# KiCad board panel.opm-inline.kicad_pcb (continued)
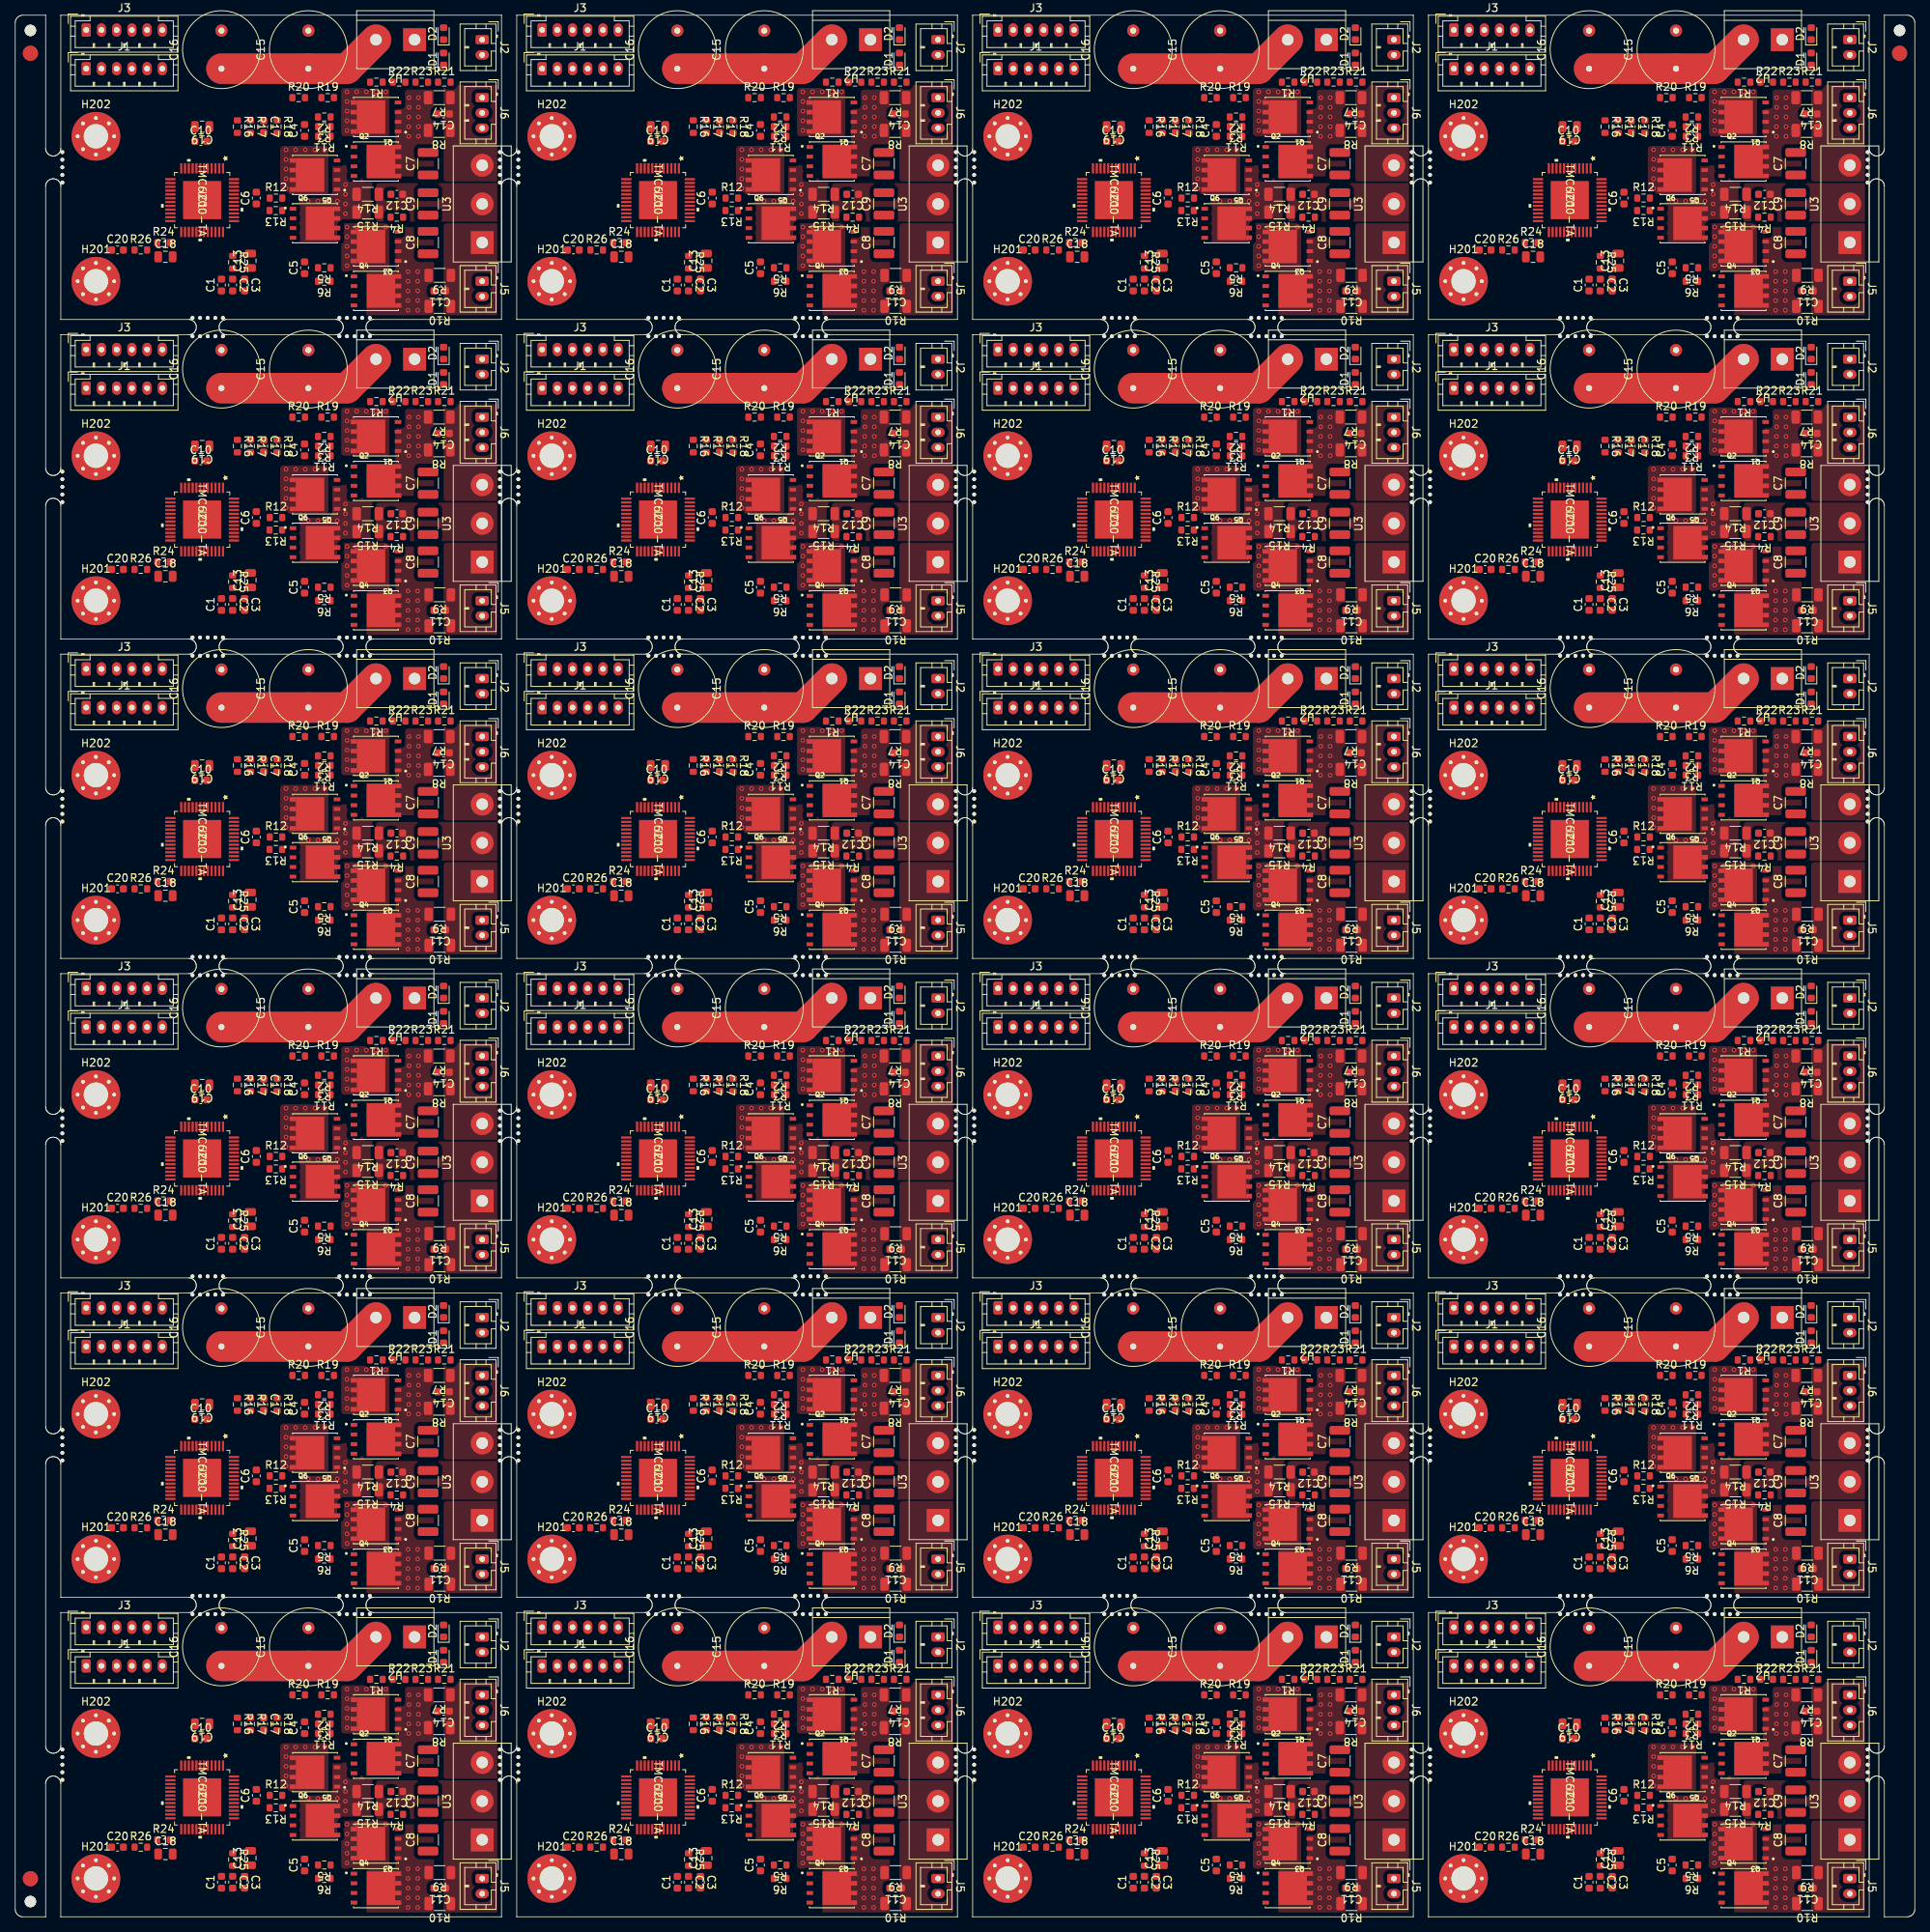
[diagram p0: board, top side]
## Nets (continued)
Board_16-/SPE: IC1#17.25 R23#17.2 R24#17.1
Board_16-/SPI1_MISO: IC1#17.16 J1#17.4
Board_16-/SPI1_MOSI: IC1#17.15 J1#17.3
Board_16-/SPI1_SCK: IC1#17.14 J1#17.2
Board_16-/U: C14#17.1 R2#17.1 R7#17.1 R8#17.1 U3#17.3
Board_16-/UH: IC1#17.17 J3#17.6
Board_16-/UL: IC1#17.18 J3#17.5
Board_16-/V: C12#17.1 R12#17.1 R14#17.1 R15#17.1 U3#17.2
Board_16-/VH: IC1#17.20 J3#17.4
Board_16-/VL: IC1#17.21 J3#17.3
Board_16-/VSA: C18#17.1 IC1#17.29
Board_16-/W: C11#17.1 R5#17.1 R9#17.1 R10#17.1 U3#17.1
Board_16-/WH: IC1#17.22 J3#17.2
Board_16-/WL: IC1#17.23 J3#17.1
Board_16-/~{CS_DRIVER}: IC1#17.13 J1#17.1
Board_16-GND: C3#17.2 C7#17.2 C8#17.2 C9#17.2 C10#17.2 C11#17.2 C12#17.2 C13#17.2 C14#17.2 C15#17.2 C16#17.2 C17#17.2 C18#17.2 C19#17.2 C20#17.2 D1#17.1 D2#17.1 H201#17.1 H202#17.1 IC1#17.8 IC1#17.EPAD J2#17.2 J5#17.2 Q2#17.1 Q2#17.2 Q2#17.3 Q4#17.1 Q4#17.2 Q4#17.3 Q6#17.1 Q6#17.2 Q6#17.3 R18#17.2 R22#17.2 R24#17.2 R26#17.2 U2#17.1
Board_16-Net-(C1-Pad1): C1#17.1 IC1#17.30
Board_16-Net-(C1-Pad2): C1#17.2 IC1#17.32
Board_16-Net-(C2-Pad2): C2#17.2 IC1#17.34
Board_16-Net-(C4-Pad1): C4#17.1 IC1#17.47 Q1#17.1 Q1#17.2 Q1#17.3 Q2#17.5 Q2#17.6 Q2#17.7 Q2#17.8 R7#17.2 R8#17.2
Board_16-Net-(C4-Pad2): C4#17.2 IC1#17.1
Board_16-Net-(C5-Pad1): C5#17.1 IC1#17.36
Board_16-Net-(C5-Pad2): C5#17.2 IC1#17.38 Q3#17.1 Q3#17.2 Q3#17.3 Q4#17.5 Q4#17.6 Q4#17.7 Q4#17.8 R9#17.2 R10#17.2
Board_16-Net-(C6-Pad1): C6#17.1 IC1#17.42 Q5#17.1 Q5#17.2 Q5#17.3 Q6#17.5 Q6#17.6 Q6#17.7 Q6#17.8 R14#17.2 R15#17.2
Board_16-Net-(C6-Pad2): C6#17.2 IC1#17.44
Board_16-Net-(C17-Pad1): C17#17.1 J5#17.1 R17#17.2 R18#17.1
Board_16-Net-(D1-Pad2): D1#17.2 R19#17.1
Board_16-Net-(D2-Pad2): D2#17.2 R20#17.1
Board_16-Net-(IC1-Pad3): IC1#17.3 R6#17.2
Board_16-Net-(IC1-Pad4): IC1#17.4 R13#17.2
Board_16-Net-(IC1-Pad5): IC1#17.5 R3#17.2
Board_16-Net-(IC1-Pad24): IC1#17.24 R26#17.1
Board_16-Net-(IC1-Pad26): IC1#17.26
Board_16-Net-(IC1-Pad37): IC1#17.37 R4#17.2
Board_16-Net-(IC1-Pad39): IC1#17.39 R5#17.2
Board_16-Net-(IC1-Pad41): IC1#17.41 R12#17.2
Board_16-Net-(IC1-Pad43): IC1#17.43 R11#17.2
Board_16-Net-(IC1-Pad46): IC1#17.46 R2#17.2
Board_16-Net-(IC1-Pad48): IC1#17.48 R1#17.2
Board_16-Net-(Q1-Pad4): Q1#17.4 R1#17.1
Board_16-Net-(Q2-Pad4): Q2#17.4 R3#17.1
Board_16-Net-(Q3-Pad4): Q3#17.4 R4#17.1
Board_16-Net-(Q4-Pad4): Q4#17.4 R6#17.1
Board_16-Net-(Q5-Pad4): Q5#17.4 R11#17.1
Board_16-Net-(Q6-Pad4): Q6#17.4 R13#17.1
Board_16-Net-(R16-Pad1): R16#17.1
Board_16-Net-(R16-Pad2): R16#17.2 R17#17.1
Board_17-/+VM: C2#18.1 C3#18.1 C7#18.1 C8#18.1 C9#18.1 C15#18.1 C16#18.1 IC1#18.33 Q1#18.5 Q1#18.6 Q1#18.7 Q1#18.8 Q3#18.5 Q3#18.6 Q3#18.7 Q3#18.8 Q5#18.5 Q5#18.6 Q5#18.7 Q5#18.8 R25#18.2 U2#18.2
Board_17-/ADC_I_u: IC1#18.9 J6#18.1
Board_17-/ADC_I_v: J6#18.2
Board_17-/ADC_I_w: IC1#18.11 J6#18.3
Board_17-/Connectors/FAULT: J1#18.6
Board_17-/Connectors/Fault: R20#18.2
Board_17-/Connectors/VOFS: R21#18.2 R22#18.1
Board_17-/DRV_EN: IC1#18.27 J1#18.5
Board_17-/Motor Driver/ADC_I_v: IC1#18.10
Board_17-/Motor Driver/VOFS: C10#18.1 IC1#18.12
Board_17-/SPE: IC1#18.25 R23#18.2 R24#18.1
Board_17-/SPI1_MISO: IC1#18.16 J1#18.4
Board_17-/SPI1_MOSI: IC1#18.15 J1#18.3
Board_17-/SPI1_SCK: IC1#18.14 J1#18.2
Board_17-/U: C14#18.1 R2#18.1 R7#18.1 R8#18.1 U3#18.3
Board_17-/UH: IC1#18.17 J3#18.6
Board_17-/UL: IC1#18.18 J3#18.5
Board_17-/V: C12#18.1 R12#18.1 R14#18.1 R15#18.1 U3#18.2
Board_17-/VH: IC1#18.20 J3#18.4
Board_17-/VL: IC1#18.21 J3#18.3
Board_17-/VSA: C18#18.1 IC1#18.29
Board_17-/W: C11#18.1 R5#18.1 R9#18.1 R10#18.1 U3#18.1
Board_17-/WH: IC1#18.22 J3#18.2
Board_17-/WL: IC1#18.23 J3#18.1
Board_17-/~{CS_DRIVER}: IC1#18.13 J1#18.1
Board_17-GND: C3#18.2 C7#18.2 C8#18.2 C9#18.2 C10#18.2 C11#18.2 C12#18.2 C13#18.2 C14#18.2 C15#18.2 C16#18.2 C17#18.2 C18#18.2 C19#18.2 C20#18.2 D1#18.1 D2#18.1 H201#18.1 H202#18.1 IC1#18.8 IC1#18.EPAD J2#18.2 J5#18.2 Q2#18.1 Q2#18.2 Q2#18.3 Q4#18.1 Q4#18.2 Q4#18.3 Q6#18.1 Q6#18.2 Q6#18.3 R18#18.2 R22#18.2 R24#18.2 R26#18.2 U2#18.1
Board_17-Net-(C1-Pad1): C1#18.1 IC1#18.30
Board_17-Net-(C1-Pad2): C1#18.2 IC1#18.32
Board_17-Net-(C2-Pad2): C2#18.2 IC1#18.34
Board_17-Net-(C4-Pad1): C4#18.1 IC1#18.47 Q1#18.1 Q1#18.2 Q1#18.3 Q2#18.5 Q2#18.6 Q2#18.7 Q2#18.8 R7#18.2 R8#18.2
Board_17-Net-(C4-Pad2): C4#18.2 IC1#18.1
Board_17-Net-(C5-Pad1): C5#18.1 IC1#18.36
Board_17-Net-(C5-Pad2): C5#18.2 IC1#18.38 Q3#18.1 Q3#18.2 Q3#18.3 Q4#18.5 Q4#18.6 Q4#18.7 Q4#18.8 R9#18.2 R10#18.2
Board_17-Net-(C6-Pad1): C6#18.1 IC1#18.42 Q5#18.1 Q5#18.2 Q5#18.3 Q6#18.5 Q6#18.6 Q6#18.7 Q6#18.8 R14#18.2 R15#18.2
Board_17-Net-(C6-Pad2): C6#18.2 IC1#18.44
Board_17-Net-(C17-Pad1): C17#18.1 J5#18.1 R17#18.2 R18#18.1
Board_17-Net-(D1-Pad2): D1#18.2 R19#18.1
Board_17-Net-(D2-Pad2): D2#18.2 R20#18.1
Board_17-Net-(IC1-Pad3): IC1#18.3 R6#18.2
Board_17-Net-(IC1-Pad4): IC1#18.4 R13#18.2
Board_17-Net-(IC1-Pad5): IC1#18.5 R3#18.2
Board_17-Net-(IC1-Pad24): IC1#18.24 R26#18.1
Board_17-Net-(IC1-Pad26): IC1#18.26
Board_17-Net-(IC1-Pad37): IC1#18.37 R4#18.2
Board_17-Net-(IC1-Pad39): IC1#18.39 R5#18.2
Board_17-Net-(IC1-Pad41): IC1#18.41 R12#18.2
Board_17-Net-(IC1-Pad43): IC1#18.43 R11#18.2
Board_17-Net-(IC1-Pad46): IC1#18.46 R2#18.2
Board_17-Net-(IC1-Pad48): IC1#18.48 R1#18.2
Board_17-Net-(Q1-Pad4): Q1#18.4 R1#18.1
Board_17-Net-(Q2-Pad4): Q2#18.4 R3#18.1
Board_17-Net-(Q3-Pad4): Q3#18.4 R4#18.1
Board_17-Net-(Q4-Pad4): Q4#18.4 R6#18.1
Board_17-Net-(Q5-Pad4): Q5#18.4 R11#18.1
Board_17-Net-(Q6-Pad4): Q6#18.4 R13#18.1
Board_17-Net-(R16-Pad1): R16#18.1
Board_17-Net-(R16-Pad2): R16#18.2 R17#18.1
Board_18-/+VM: C2#19.1 C3#19.1 C7#19.1 C8#19.1 C9#19.1 C15#19.1 C16#19.1 IC1#19.33 Q1#19.5 Q1#19.6 Q1#19.7 Q1#19.8 Q3#19.5 Q3#19.6 Q3#19.7 Q3#19.8 Q5#19.5 Q5#19.6 Q5#19.7 Q5#19.8 R25#19.2 U2#19.2
Board_18-/ADC_I_u: IC1#19.9 J6#19.1
Board_18-/ADC_I_v: J6#19.2
Board_18-/ADC_I_w: IC1#19.11 J6#19.3
Board_18-/Connectors/FAULT: J1#19.6
Board_18-/Connectors/Fault: R20#19.2
Board_18-/Connectors/VOFS: R21#19.2 R22#19.1
Board_18-/DRV_EN: IC1#19.27 J1#19.5
Board_18-/Motor Driver/ADC_I_v: IC1#19.10
Board_18-/Motor Driver/VOFS: C10#19.1 IC1#19.12
Board_18-/SPE: IC1#19.25 R23#19.2 R24#19.1
Board_18-/SPI1_MISO: IC1#19.16 J1#19.4
Board_18-/SPI1_MOSI: IC1#19.15 J1#19.3
Board_18-/SPI1_SCK: IC1#19.14 J1#19.2
Board_18-/U: C14#19.1 R2#19.1 R7#19.1 R8#19.1 U3#19.3
Board_18-/UH: IC1#19.17 J3#19.6
Board_18-/UL: IC1#19.18 J3#19.5
Board_18-/V: C12#19.1 R12#19.1 R14#19.1 R15#19.1 U3#19.2
Board_18-/VH: IC1#19.20 J3#19.4
Board_18-/VL: IC1#19.21 J3#19.3
Board_18-/VSA: C18#19.1 IC1#19.29
Board_18-/W: C11#19.1 R5#19.1 R9#19.1 R10#19.1 U3#19.1
Board_18-/WH: IC1#19.22 J3#19.2
Board_18-/WL: IC1#19.23 J3#19.1
Board_18-/~{CS_DRIVER}: IC1#19.13 J1#19.1
Board_18-GND: C3#19.2 C7#19.2 C8#19.2 C9#19.2 C10#19.2 C11#19.2 C12#19.2 C13#19.2 C14#19.2 C15#19.2 C16#19.2 C17#19.2 C18#19.2 C19#19.2 C20#19.2 D1#19.1 D2#19.1 H201#19.1 H202#19.1 IC1#19.8 IC1#19.EPAD J2#19.2 J5#19.2 Q2#19.1 Q2#19.2 Q2#19.3 Q4#19.1 Q4#19.2 Q4#19.3 Q6#19.1 Q6#19.2 Q6#19.3 R18#19.2 R22#19.2 R24#19.2 R26#19.2 U2#19.1
Board_18-Net-(C1-Pad1): C1#19.1 IC1#19.30
Board_18-Net-(C1-Pad2): C1#19.2 IC1#19.32
Board_18-Net-(C2-Pad2): C2#19.2 IC1#19.34
Board_18-Net-(C4-Pad1): C4#19.1 IC1#19.47 Q1#19.1 Q1#19.2 Q1#19.3 Q2#19.5 Q2#19.6 Q2#19.7 Q2#19.8 R7#19.2 R8#19.2
Board_18-Net-(C4-Pad2): C4#19.2 IC1#19.1
Board_18-Net-(C5-Pad1): C5#19.1 IC1#19.36
Board_18-Net-(C5-Pad2): C5#19.2 IC1#19.38 Q3#19.1 Q3#19.2 Q3#19.3 Q4#19.5 Q4#19.6 Q4#19.7 Q4#19.8 R9#19.2 R10#19.2
Board_18-Net-(C6-Pad1): C6#19.1 IC1#19.42 Q5#19.1 Q5#19.2 Q5#19.3 Q6#19.5 Q6#19.6 Q6#19.7 Q6#19.8 R14#19.2 R15#19.2
Board_18-Net-(C6-Pad2): C6#19.2 IC1#19.44
Board_18-Net-(C17-Pad1): C17#19.1 J5#19.1 R17#19.2 R18#19.1
Board_18-Net-(D1-Pad2): D1#19.2 R19#19.1
Board_18-Net-(D2-Pad2): D2#19.2 R20#19.1
Board_18-Net-(IC1-Pad3): IC1#19.3 R6#19.2
Board_18-Net-(IC1-Pad4): IC1#19.4 R13#19.2
Board_18-Net-(IC1-Pad5): IC1#19.5 R3#19.2
Board_18-Net-(IC1-Pad24): IC1#19.24 R26#19.1
Board_18-Net-(IC1-Pad26): IC1#19.26
Board_18-Net-(IC1-Pad37): IC1#19.37 R4#19.2
Board_18-Net-(IC1-Pad39): IC1#19.39 R5#19.2
Board_18-Net-(IC1-Pad41): IC1#19.41 R12#19.2
Board_18-Net-(IC1-Pad43): IC1#19.43 R11#19.2
Board_18-Net-(IC1-Pad46): IC1#19.46 R2#19.2
Board_18-Net-(IC1-Pad48): IC1#19.48 R1#19.2
Board_18-Net-(Q1-Pad4): Q1#19.4 R1#19.1
Board_18-Net-(Q2-Pad4): Q2#19.4 R3#19.1
Board_18-Net-(Q3-Pad4): Q3#19.4 R4#19.1
Board_18-Net-(Q4-Pad4): Q4#19.4 R6#19.1
Board_18-Net-(Q5-Pad4): Q5#19.4 R11#19.1
Board_18-Net-(Q6-Pad4): Q6#19.4 R13#19.1
Board_18-Net-(R16-Pad1): R16#19.1
Board_18-Net-(R16-Pad2): R16#19.2 R17#19.1
Board_19-/+VM: C2#20.1 C3#20.1 C7#20.1 C8#20.1 C9#20.1 C15#20.1 C16#20.1 IC1#20.33 Q1#20.5 Q1#20.6 Q1#20.7 Q1#20.8 Q3#20.5 Q3#20.6 Q3#20.7 Q3#20.8 Q5#20.5 Q5#20.6 Q5#20.7 Q5#20.8 R25#20.2 U2#20.2
Board_19-/ADC_I_u: IC1#20.9 J6#20.1
Board_19-/ADC_I_v: J6#20.2
Board_19-/ADC_I_w: IC1#20.11 J6#20.3
Board_19-/Connectors/FAULT: J1#20.6
Board_19-/Connectors/Fault: R20#20.2
Board_19-/Connectors/VOFS: R21#20.2 R22#20.1
Board_19-/DRV_EN: IC1#20.27 J1#20.5
Board_19-/Motor Driver/ADC_I_v: IC1#20.10
Board_19-/Motor Driver/VOFS: C10#20.1 IC1#20.12
Board_19-/SPE: IC1#20.25 R23#20.2 R24#20.1
Board_19-/SPI1_MISO: IC1#20.16 J1#20.4
Board_19-/SPI1_MOSI: IC1#20.15 J1#20.3
Board_19-/SPI1_SCK: IC1#20.14 J1#20.2
Board_19-/U: C14#20.1 R2#20.1 R7#20.1 R8#20.1 U3#20.3
Board_19-/UH: IC1#20.17 J3#20.6
Board_19-/UL: IC1#20.18 J3#20.5
Board_19-/V: C12#20.1 R12#20.1 R14#20.1 R15#20.1 U3#20.2
Board_19-/VH: IC1#20.20 J3#20.4
Board_19-/VL: IC1#20.21 J3#20.3
Board_19-/VSA: C18#20.1 IC1#20.29
Board_19-/W: C11#20.1 R5#20.1 R9#20.1 R10#20.1 U3#20.1
Board_19-/WH: IC1#20.22 J3#20.2
Board_19-/WL: IC1#20.23 J3#20.1
Board_19-/~{CS_DRIVER}: IC1#20.13 J1#20.1
Board_19-GND: C3#20.2 C7#20.2 C8#20.2 C9#20.2 C10#20.2 C11#20.2 C12#20.2 C13#20.2 C14#20.2 C15#20.2 C16#20.2 C17#20.2 C18#20.2 C19#20.2 C20#20.2 D1#20.1 D2#20.1 H201#20.1 H202#20.1 IC1#20.8 IC1#20.EPAD J2#20.2 J5#20.2 Q2#20.1 Q2#20.2 Q2#20.3 Q4#20.1 Q4#20.2 Q4#20.3 Q6#20.1 Q6#20.2 Q6#20.3 R18#20.2 R22#20.2 R24#20.2 R26#20.2 U2#20.1
Board_19-Net-(C1-Pad1): C1#20.1 IC1#20.30
Board_19-Net-(C1-Pad2): C1#20.2 IC1#20.32
Board_19-Net-(C2-Pad2): C2#20.2 IC1#20.34
Board_19-Net-(C4-Pad1): C4#20.1 IC1#20.47 Q1#20.1 Q1#20.2 Q1#20.3 Q2#20.5 Q2#20.6 Q2#20.7 Q2#20.8 R7#20.2 R8#20.2
Board_19-Net-(C4-Pad2): C4#20.2 IC1#20.1
Board_19-Net-(C5-Pad1): C5#20.1 IC1#20.36
Board_19-Net-(C5-Pad2): C5#20.2 IC1#20.38 Q3#20.1 Q3#20.2 Q3#20.3 Q4#20.5 Q4#20.6 Q4#20.7 Q4#20.8 R9#20.2 R10#20.2
Board_19-Net-(C6-Pad1): C6#20.1 IC1#20.42 Q5#20.1 Q5#20.2 Q5#20.3 Q6#20.5 Q6#20.6 Q6#20.7 Q6#20.8 R14#20.2 R15#20.2
Board_19-Net-(C6-Pad2): C6#20.2 IC1#20.44
Board_19-Net-(C17-Pad1): C17#20.1 J5#20.1 R17#20.2 R18#20.1
Board_19-Net-(D1-Pad2): D1#20.2 R19#20.1
Board_19-Net-(D2-Pad2): D2#20.2 R20#20.1
Board_19-Net-(IC1-Pad3): IC1#20.3 R6#20.2
Board_19-Net-(IC1-Pad4): IC1#20.4 R13#20.2
Board_19-Net-(IC1-Pad5): IC1#20.5 R3#20.2
Board_19-Net-(IC1-Pad24): IC1#20.24 R26#20.1
Board_19-Net-(IC1-Pad26): IC1#20.26
Board_19-Net-(IC1-Pad37): IC1#20.37 R4#20.2
Board_19-Net-(IC1-Pad39): IC1#20.39 R5#20.2
Board_19-Net-(IC1-Pad41): IC1#20.41 R12#20.2
Board_19-Net-(IC1-Pad43): IC1#20.43 R11#20.2
Board_19-Net-(IC1-Pad46): IC1#20.46 R2#20.2
Board_19-Net-(IC1-Pad48): IC1#20.48 R1#20.2
Board_19-Net-(Q1-Pad4): Q1#20.4 R1#20.1
Board_19-Net-(Q2-Pad4): Q2#20.4 R3#20.1
Board_19-Net-(Q3-Pad4): Q3#20.4 R4#20.1
Board_19-Net-(Q4-Pad4): Q4#20.4 R6#20.1
Board_19-Net-(Q5-Pad4): Q5#20.4 R11#20.1
Board_19-Net-(Q6-Pad4): Q6#20.4 R13#20.1
Board_19-Net-(R16-Pad1): R16#20.1
Board_19-Net-(R16-Pad2): R16#20.2 R17#20.1
Board_20-/+VM: C2#21.1 C3#21.1 C7#21.1 C8#21.1 C9#21.1 C15#21.1 C16#21.1 IC1#21.33 Q1#21.5 Q1#21.6 Q1#21.7 Q1#21.8 Q3#21.5 Q3#21.6 Q3#21.7 Q3#21.8 Q5#21.5 Q5#21.6 Q5#21.7 Q5#21.8 R25#21.2 U2#21.2
Board_20-/ADC_I_u: IC1#21.9 J6#21.1
Board_20-/ADC_I_v: J6#21.2
Board_20-/ADC_I_w: IC1#21.11 J6#21.3
Board_20-/Connectors/FAULT: J1#21.6
Board_20-/Connectors/Fault: R20#21.2
Board_20-/Connectors/VOFS: R21#21.2 R22#21.1
Board_20-/DRV_EN: IC1#21.27 J1#21.5
Board_20-/Motor Driver/ADC_I_v: IC1#21.10
Board_20-/Motor Driver/VOFS: C10#21.1 IC1#21.12
Board_20-/SPE: IC1#21.25 R23#21.2 R24#21.1
Board_20-/SPI1_MISO: IC1#21.16 J1#21.4
Board_20-/SPI1_MOSI: IC1#21.15 J1#21.3
Board_20-/SPI1_SCK: IC1#21.14 J1#21.2
Board_20-/U: C14#21.1 R2#21.1 R7#21.1 R8#21.1 U3#21.3
Board_20-/UH: IC1#21.17 J3#21.6
Board_20-/UL: IC1#21.18 J3#21.5
Board_20-/V: C12#21.1 R12#21.1 R14#21.1 R15#21.1 U3#21.2
Board_20-/VH: IC1#21.20 J3#21.4
Board_20-/VL: IC1#21.21 J3#21.3
Board_20-/VSA: C18#21.1 IC1#21.29
Board_20-/W: C11#21.1 R5#21.1 R9#21.1 R10#21.1 U3#21.1
Board_20-/WH: IC1#21.22 J3#21.2
Board_20-/WL: IC1#21.23 J3#21.1
Board_20-/~{CS_DRIVER}: IC1#21.13 J1#21.1
Board_20-GND: C3#21.2 C7#21.2 C8#21.2 C9#21.2 C10#21.2 C11#21.2 C12#21.2 C13#21.2 C14#21.2 C15#21.2 C16#21.2 C17#21.2 C18#21.2 C19#21.2 C20#21.2 D1#21.1 D2#21.1 H201#21.1 H202#21.1 IC1#21.8 IC1#21.EPAD J2#21.2 J5#21.2 Q2#21.1 Q2#21.2 Q2#21.3 Q4#21.1 Q4#21.2 Q4#21.3 Q6#21.1 Q6#21.2 Q6#21.3 R18#21.2 R22#21.2 R24#21.2 R26#21.2 U2#21.1
Board_20-Net-(C1-Pad1): C1#21.1 IC1#21.30
Board_20-Net-(C1-Pad2): C1#21.2 IC1#21.32
Board_20-Net-(C2-Pad2): C2#21.2 IC1#21.34
Board_20-Net-(C4-Pad1): C4#21.1 IC1#21.47 Q1#21.1 Q1#21.2 Q1#21.3 Q2#21.5 Q2#21.6 Q2#21.7 Q2#21.8 R7#21.2 R8#21.2
Board_20-Net-(C4-Pad2): C4#21.2 IC1#21.1
Board_20-Net-(C5-Pad1): C5#21.1 IC1#21.36
Board_20-Net-(C5-Pad2): C5#21.2 IC1#21.38 Q3#21.1 Q3#21.2 Q3#21.3 Q4#21.5 Q4#21.6 Q4#21.7 Q4#21.8 R9#21.2 R10#21.2
Board_20-Net-(C6-Pad1): C6#21.1 IC1#21.42 Q5#21.1 Q5#21.2 Q5#21.3 Q6#21.5 Q6#21.6 Q6#21.7 Q6#21.8 R14#21.2 R15#21.2
Board_20-Net-(C6-Pad2): C6#21.2 IC1#21.44
Board_20-Net-(C17-Pad1): C17#21.1 J5#21.1 R17#21.2 R18#21.1
Board_20-Net-(D1-Pad2): D1#21.2 R19#21.1
Board_20-Net-(D2-Pad2): D2#21.2 R20#21.1
Board_20-Net-(IC1-Pad3): IC1#21.3 R6#21.2
Board_20-Net-(IC1-Pad4): IC1#21.4 R13#21.2
Board_20-Net-(IC1-Pad5): IC1#21.5 R3#21.2
Board_20-Net-(IC1-Pad24): IC1#21.24 R26#21.1
Board_20-Net-(IC1-Pad26): IC1#21.26
Board_20-Net-(IC1-Pad37): IC1#21.37 R4#21.2
Board_20-Net-(IC1-Pad39): IC1#21.39 R5#21.2
Board_20-Net-(IC1-Pad41): IC1#21.41 R12#21.2
Board_20-Net-(IC1-Pad43): IC1#21.43 R11#21.2
Board_20-Net-(IC1-Pad46): IC1#21.46 R2#21.2
Board_20-Net-(IC1-Pad48): IC1#21.48 R1#21.2
Board_20-Net-(Q1-Pad4): Q1#21.4 R1#21.1
Board_20-Net-(Q2-Pad4): Q2#21.4 R3#21.1
Board_20-Net-(Q3-Pad4): Q3#21.4 R4#21.1
Board_20-Net-(Q4-Pad4): Q4#21.4 R6#21.1
Board_20-Net-(Q5-Pad4): Q5#21.4 R11#21.1
Board_20-Net-(Q6-Pad4): Q6#21.4 R13#21.1
Board_20-Net-(R16-Pad1): R16#21.1
Board_20-Net-(R16-Pad2): R16#21.2 R17#21.1
Board_21-/+VM: C2#22.1 C3#22.1 C7#22.1 C8#22.1 C9#22.1 C15#22.1 C16#22.1 IC1#22.33 Q1#22.5 Q1#22.6 Q1#22.7 Q1#22.8 Q3#22.5 Q3#22.6 Q3#22.7 Q3#22.8 Q5#22.5 Q5#22.6 Q5#22.7 Q5#22.8 R25#22.2 U2#22.2
Board_21-/ADC_I_u: IC1#22.9 J6#22.1
Board_21-/ADC_I_v: J6#22.2
Board_21-/ADC_I_w: IC1#22.11 J6#22.3
Board_21-/Connectors/FAULT: J1#22.6
Board_21-/Connectors/Fault: R20#22.2
Board_21-/Connectors/VOFS: R21#22.2 R22#22.1
Board_21-/DRV_EN: IC1#22.27 J1#22.5
Board_21-/Motor Driver/ADC_I_v: IC1#22.10
Board_21-/Motor Driver/VOFS: C10#22.1 IC1#22.12
Board_21-/SPE: IC1#22.25 R23#22.2 R24#22.1
Board_21-/SPI1_MISO: IC1#22.16 J1#22.4
Board_21-/SPI1_MOSI: IC1#22.15 J1#22.3
Board_21-/SPI1_SCK: IC1#22.14 J1#22.2
Board_21-/U: C14#22.1 R2#22.1 R7#22.1 R8#22.1 U3#22.3
Board_21-/UH: IC1#22.17 J3#22.6
Board_21-/UL: IC1#22.18 J3#22.5
Board_21-/V: C12#22.1 R12#22.1 R14#22.1 R15#22.1 U3#22.2
Board_21-/VH: IC1#22.20 J3#22.4
Board_21-/VL: IC1#22.21 J3#22.3
Board_21-/VSA: C18#22.1 IC1#22.29
Board_21-/W: C11#22.1 R5#22.1 R9#22.1 R10#22.1 U3#22.1
Board_21-/WH: IC1#22.22 J3#22.2
Board_21-/WL: IC1#22.23 J3#22.1
Board_21-/~{CS_DRIVER}: IC1#22.13 J1#22.1
Board_21-GND: C3#22.2 C7#22.2 C8#22.2 C9#22.2 C10#22.2 C11#22.2 C12#22.2 C13#22.2 C14#22.2 C15#22.2 C16#22.2 C17#22.2 C18#22.2 C19#22.2 C20#22.2 D1#22.1 D2#22.1 H201#22.1 H202#22.1 IC1#22.8 IC1#22.EPAD J2#22.2 J5#22.2 Q2#22.1 Q2#22.2 Q2#22.3 Q4#22.1 Q4#22.2 Q4#22.3 Q6#22.1 Q6#22.2 Q6#22.3 R18#22.2 R22#22.2 R24#22.2 R26#22.2 U2#22.1
Board_21-Net-(C1-Pad1): C1#22.1 IC1#22.30
Board_21-Net-(C1-Pad2): C1#22.2 IC1#22.32
Board_21-Net-(C2-Pad2): C2#22.2 IC1#22.34
Board_21-Net-(C4-Pad1): C4#22.1 IC1#22.47 Q1#22.1 Q1#22.2 Q1#22.3 Q2#22.5 Q2#22.6 Q2#22.7 Q2#22.8 R7#22.2 R8#22.2
Board_21-Net-(C4-Pad2): C4#22.2 IC1#22.1
Board_21-Net-(C5-Pad1): C5#22.1 IC1#22.36
Board_21-Net-(C5-Pad2): C5#22.2 IC1#22.38 Q3#22.1 Q3#22.2 Q3#22.3 Q4#22.5 Q4#22.6 Q4#22.7 Q4#22.8 R9#22.2 R10#22.2
Board_21-Net-(C6-Pad1): C6#22.1 IC1#22.42 Q5#22.1 Q5#22.2 Q5#22.3 Q6#22.5 Q6#22.6 Q6#22.7 Q6#22.8 R14#22.2 R15#22.2
Board_21-Net-(C6-Pad2): C6#22.2 IC1#22.44
Board_21-Net-(C17-Pad1): C17#22.1 J5#22.1 R17#22.2 R18#22.1
Board_21-Net-(D1-Pad2): D1#22.2 R19#22.1
Board_21-Net-(D2-Pad2): D2#22.2 R20#22.1
Board_21-Net-(IC1-Pad3): IC1#22.3 R6#22.2
Board_21-Net-(IC1-Pad4): IC1#22.4 R13#22.2
Board_21-Net-(IC1-Pad5): IC1#22.5 R3#22.2
Board_21-Net-(IC1-Pad24): IC1#22.24 R26#22.1
Board_21-Net-(IC1-Pad26): IC1#22.26
Board_21-Net-(IC1-Pad37): IC1#22.37 R4#22.2
Board_21-Net-(IC1-Pad39): IC1#22.39 R5#22.2
Board_21-Net-(IC1-Pad41): IC1#22.41 R12#22.2
Board_21-Net-(IC1-Pad43): IC1#22.43 R11#22.2
Board_21-Net-(IC1-Pad46): IC1#22.46 R2#22.2
Board_21-Net-(IC1-Pad48): IC1#22.48 R1#22.2
Board_21-Net-(Q1-Pad4): Q1#22.4 R1#22.1
Board_21-Net-(Q2-Pad4): Q2#22.4 R3#22.1
Board_21-Net-(Q3-Pad4): Q3#22.4 R4#22.1
Board_21-Net-(Q4-Pad4): Q4#22.4 R6#22.1
Board_21-Net-(Q5-Pad4): Q5#22.4 R11#22.1
Board_21-Net-(Q6-Pad4): Q6#22.4 R13#22.1
Board_21-Net-(R16-Pad1): R16#22.1
Board_21-Net-(R16-Pad2): R16#22.2 R17#22.1
Board_22-/+VM: C2#23.1 C3#23.1 C7#23.1 C8#23.1 C9#23.1 C15#23.1 C16#23.1 IC1#23.33 Q1#23.5 Q1#23.6 Q1#23.7 Q1#23.8 Q3#23.5 Q3#23.6 Q3#23.7 Q3#23.8 Q5#23.5 Q5#23.6 Q5#23.7 Q5#23.8 R25#23.2 U2#23.2
Board_22-/ADC_I_u: IC1#23.9 J6#23.1
Board_22-/ADC_I_v: J6#23.2
Board_22-/ADC_I_w: IC1#23.11 J6#23.3
Board_22-/Connectors/FAULT: J1#23.6
Board_22-/Connectors/Fault: R20#23.2
Board_22-/Connectors/VOFS: R21#23.2 R22#23.1
Board_22-/DRV_EN: IC1#23.27 J1#23.5
Board_22-/Motor Driver/ADC_I_v: IC1#23.10
Board_22-/Motor Driver/VOFS: C10#23.1 IC1#23.12
Board_22-/SPE: IC1#23.25 R23#23.2 R24#23.1
Board_22-/SPI1_MISO: IC1#23.16 J1#23.4
Board_22-/SPI1_MOSI: IC1#23.15 J1#23.3
Board_22-/SPI1_SCK: IC1#23.14 J1#23.2
Board_22-/U: C14#23.1 R2#23.1 R7#23.1 R8#23.1 U3#23.3
Board_22-/UH: IC1#23.17 J3#23.6
Board_22-/UL: IC1#23.18 J3#23.5
Board_22-/V: C12#23.1 R12#23.1 R14#23.1 R15#23.1 U3#23.2
Board_22-/VH: IC1#23.20 J3#23.4
Board_22-/VL: IC1#23.21 J3#23.3
Board_22-/VSA: C18#23.1 IC1#23.29
Board_22-/W: C11#23.1 R5#23.1 R9#23.1 R10#23.1 U3#23.1
Board_22-/WH: IC1#23.22 J3#23.2
Board_22-/WL: IC1#23.23 J3#23.1
Board_22-/~{CS_DRIVER}: IC1#23.13 J1#23.1
Board_22-GND: C3#23.2 C7#23.2 C8#23.2 C9#23.2 C10#23.2 C11#23.2 C12#23.2 C13#23.2 C14#23.2 C15#23.2 C16#23.2 C17#23.2 C18#23.2 C19#23.2 C20#23.2 D1#23.1 D2#23.1 H201#23.1 H202#23.1 IC1#23.8 IC1#23.EPAD J2#23.2 J5#23.2 Q2#23.1 Q2#23.2 Q2#23.3 Q4#23.1 Q4#23.2 Q4#23.3 Q6#23.1 Q6#23.2 Q6#23.3 R18#23.2 R22#23.2 R24#23.2 R26#23.2 U2#23.1
Board_22-Net-(C1-Pad1): C1#23.1 IC1#23.30
Board_22-Net-(C1-Pad2): C1#23.2 IC1#23.32
Board_22-Net-(C2-Pad2): C2#23.2 IC1#23.34
Board_22-Net-(C4-Pad1): C4#23.1 IC1#23.47 Q1#23.1 Q1#23.2 Q1#23.3 Q2#23.5 Q2#23.6 Q2#23.7 Q2#23.8 R7#23.2 R8#23.2
Board_22-Net-(C4-Pad2): C4#23.2 IC1#23.1
Board_22-Net-(C5-Pad1): C5#23.1 IC1#23.36
Board_22-Net-(C5-Pad2): C5#23.2 IC1#23.38 Q3#23.1 Q3#23.2 Q3#23.3 Q4#23.5 Q4#23.6 Q4#23.7 Q4#23.8 R9#23.2 R10#23.2
Board_22-Net-(C6-Pad1): C6#23.1 IC1#23.42 Q5#23.1 Q5#23.2 Q5#23.3 Q6#23.5 Q6#23.6 Q6#23.7 Q6#23.8 R14#23.2 R15#23.2
Board_22-Net-(C6-Pad2): C6#23.2 IC1#23.44
Board_22-Net-(C17-Pad1): C17#23.1 J5#23.1 R17#23.2 R18#23.1
Board_22-Net-(D1-Pad2): D1#23.2 R19#23.1
Board_22-Net-(D2-Pad2): D2#23.2 R20#23.1
Board_22-Net-(IC1-Pad3): IC1#23.3 R6#23.2
Board_22-Net-(IC1-Pad4): IC1#23.4 R13#23.2
Board_22-Net-(IC1-Pad5): IC1#23.5 R3#23.2
Board_22-Net-(IC1-Pad24): IC1#23.24 R26#23.1
Board_22-Net-(IC1-Pad26): IC1#23.26
Board_22-Net-(IC1-Pad37): IC1#23.37 R4#23.2
Board_22-Net-(IC1-Pad39): IC1#23.39 R5#23.2
Board_22-Net-(IC1-Pad41): IC1#23.41 R12#23.2
Board_22-Net-(IC1-Pad43): IC1#23.43 R11#23.2
Board_22-Net-(IC1-Pad46): IC1#23.46 R2#23.2
Board_22-Net-(IC1-Pad48): IC1#23.48 R1#23.2
Board_22-Net-(Q1-Pad4): Q1#23.4 R1#23.1
Board_22-Net-(Q2-Pad4): Q2#23.4 R3#23.1
Board_22-Net-(Q3-Pad4): Q3#23.4 R4#23.1
Board_22-Net-(Q4-Pad4): Q4#23.4 R6#23.1
Board_22-Net-(Q5-Pad4): Q5#23.4 R11#23.1
Board_22-Net-(Q6-Pad4): Q6#23.4 R13#23.1
Board_22-Net-(R16-Pad1): R16#23.1
Board_22-Net-(R16-Pad2): R16#23.2 R17#23.1
Board_23-/+VM: C2#24.1 C3#24.1 C7#24.1 C8#24.1 C9#24.1 C15#24.1 C16#24.1 IC1#24.33 Q1#24.5 Q1#24.6 Q1#24.7 Q1#24.8 Q3#24.5 Q3#24.6 Q3#24.7 Q3#24.8 Q5#24.5 Q5#24.6 Q5#24.7 Q5#24.8 R25#24.2 U2#24.2
Board_23-/ADC_I_u: IC1#24.9 J6#24.1
Board_23-/ADC_I_v: J6#24.2
Board_23-/ADC_I_w: IC1#24.11 J6#24.3
Board_23-/Connectors/FAULT: J1#24.6
Board_23-/Connectors/Fault: R20#24.2
Board_23-/Connectors/VOFS: R21#24.2 R22#24.1
Board_23-/DRV_EN: IC1#24.27 J1#24.5
Board_23-/Motor Driver/ADC_I_v: IC1#24.10
Board_23-/Motor Driver/VOFS: C10#24.1 IC1#24.12
Board_23-/SPE: IC1#24.25 R23#24.2 R24#24.1
Board_23-/SPI1_MISO: IC1#24.16 J1#24.4
Board_23-/SPI1_MOSI: IC1#24.15 J1#24.3
Board_23-/SPI1_SCK: IC1#24.14 J1#24.2
Board_23-/U: C14#24.1 R2#24.1 R7#24.1 R8#24.1 U3#24.3
Board_23-/UH: IC1#24.17 J3#24.6
Board_23-/UL: IC1#24.18 J3#24.5
Board_23-/V: C12#24.1 R12#24.1 R14#24.1 R15#24.1 U3#24.2
Board_23-/VH: IC1#24.20 J3#24.4
Board_23-/VL: IC1#24.21 J3#24.3
Board_23-/VSA: C18#24.1 IC1#24.29
Board_23-/W: C11#24.1 R5#24.1 R9#24.1 R10#24.1 U3#24.1
Board_23-/WH: IC1#24.22 J3#24.2
Board_23-/WL: IC1#24.23 J3#24.1
Board_23-/~{CS_DRIVER}: IC1#24.13 J1#24.1
Board_23-GND: C3#24.2 C7#24.2 C8#24.2 C9#24.2 C10#24.2 C11#24.2 C12#24.2 C13#24.2 C14#24.2 C15#24.2 C16#24.2 C17#24.2 C18#24.2 C19#24.2 C20#24.2 D1#24.1 D2#24.1 H201#24.1 H202#24.1 IC1#24.8 IC1#24.EPAD J2#24.2 J5#24.2 Q2#24.1 Q2#24.2 Q2#24.3 Q4#24.1 Q4#24.2 Q4#24.3 Q6#24.1 Q6#24.2 Q6#24.3 R18#24.2 R22#24.2 R24#24.2 R26#24.2 U2#24.1
Board_23-Net-(C1-Pad1): C1#24.1 IC1#24.30
Board_23-Net-(C1-Pad2): C1#24.2 IC1#24.32
Board_23-Net-(C2-Pad2): C2#24.2 IC1#24.34
Board_23-Net-(C4-Pad1): C4#24.1 IC1#24.47 Q1#24.1 Q1#24.2 Q1#24.3 Q2#24.5 Q2#24.6 Q2#24.7 Q2#24.8 R7#24.2 R8#24.2
Board_23-Net-(C4-Pad2): C4#24.2 IC1#24.1
Board_23-Net-(C5-Pad1): C5#24.1 IC1#24.36
Board_23-Net-(C5-Pad2): C5#24.2 IC1#24.38 Q3#24.1 Q3#24.2 Q3#24.3 Q4#24.5 Q4#24.6 Q4#24.7 Q4#24.8 R9#24.2 R10#24.2
Board_23-Net-(C6-Pad1): C6#24.1 IC1#24.42 Q5#24.1 Q5#24.2 Q5#24.3 Q6#24.5 Q6#24.6 Q6#24.7 Q6#24.8 R14#24.2 R15#24.2
Board_23-Net-(C6-Pad2): C6#24.2 IC1#24.44
Board_23-Net-(C17-Pad1): C17#24.1 J5#24.1 R17#24.2 R18#24.1
Board_23-Net-(D1-Pad2): D1#24.2 R19#24.1
Board_23-Net-(D2-Pad2): D2#24.2 R20#24.1
Board_23-Net-(IC1-Pad3): IC1#24.3 R6#24.2
Board_23-Net-(IC1-Pad4): IC1#24.4 R13#24.2
Board_23-Net-(IC1-Pad5): IC1#24.5 R3#24.2
Board_23-Net-(IC1-Pad24): IC1#24.24 R26#24.1
Board_23-Net-(IC1-Pad26): IC1#24.26
Board_23-Net-(IC1-Pad37): IC1#24.37 R4#24.2
Board_23-Net-(IC1-Pad39): IC1#24.39 R5#24.2
Board_23-Net-(IC1-Pad41): IC1#24.41 R12#24.2
Board_23-Net-(IC1-Pad43): IC1#24.43 R11#24.2
Board_23-Net-(IC1-Pad46): IC1#24.46 R2#24.2
Board_23-Net-(IC1-Pad48): IC1#24.48 R1#24.2
Board_23-Net-(Q1-Pad4): Q1#24.4 R1#24.1
Board_23-Net-(Q2-Pad4): Q2#24.4 R3#24.1
Board_23-Net-(Q3-Pad4): Q3#24.4 R4#24.1
Board_23-Net-(Q4-Pad4): Q4#24.4 R6#24.1
Board_23-Net-(Q5-Pad4): Q5#24.4 R11#24.1
Board_23-Net-(Q6-Pad4): Q6#24.4 R13#24.1
Board_23-Net-(R16-Pad1): R16#24.1
Board_23-Net-(R16-Pad2): R16#24.2 R17#24.1

Pads without a net: IC1 2 28 31 35 40 45; IC1#2 2 28 31 35 40 45; IC1#3 2 28 31 35 40 45; IC1#4 2 28 31 35 40 45; IC1#5 2 28 31 35 40 45; IC1#6 2 28 31 35 40 45; IC1#7 2 28 31 35 40 45; IC1#8 2 28 31 35 40 45; IC1#9 2 28 31 35 40 45; IC1#10 2 28 31 35 40 45; IC1#11 2 28 31 35 40 45; IC1#12 2 28 31 35 40 45; IC1#13 2 28 31 35 40 45; IC1#14 2 28 31 35 40 45; IC1#15 2 28 31 35 40 45; IC1#16 2 28 31 35 40 45; IC1#17 2 28 31 35 40 45; IC1#18 2 28 31 35 40 45; IC1#19 2 28 31 35 40 45; IC1#20 2 28 31 35 40 45; IC1#21 2 28 31 35 40 45; IC1#22 2 28 31 35 40 45; IC1#23 2 28 31 35 40 45; IC1#24 2 28 31 35 40 45

## Via types
v1: diameter 0.6, hole 0.3, Top to Bottom, 1320 vias

## Routing (per net, layer and track width the routed paths; a pad name or vN(x,y) marks a point on that pad's centre or on a via; arc(x,y) is an arc through that point)
Board_0-/+VM: length 86
  Top w4: U2.2 43.63,242.93 C15.1 C16.1
  In1.Cu w4: C16.1 36.93,242.93 ; 43.63,242.93 U2.2 ; 37.28,242.93 42.36,242.93
  In2.Cu w4: U2.2 43.63,242.93 C15.1 C16.1
  Bottom w4: U2.2 43.63,242.93 C15.1 C16.1
  vias: v1(35.61,232.27) v1(35.61,231) v1(35.61,229.73) v1(35.61,228.46) v1(35.61,227.19) v1(36.88,232.27) v1(38.15,232.27) v1(39.42,232.27) v1(40.69,232.27) v1(43.63,239.89) v1(43.63,238.62) v1(43.63,237.35) v1(43.63,236.08) v1(43.63,234.81) v1(43.63,222.11) v1(43.63,220.84) v1(43.63,219.57) v1(43.63,218.3) v1(43.63,217.03) v1(44.9,239.89) v1(44.9,222.11) v1(46.17,239.89) v1(46.17,222.11) v1(47.44,239.89) v1(47.44,222.11) v1(48.71,239.89) v1(48.71,222.11)
